# Altium PCB IDC_MCX_Adapter.PCBDOC (part 1 of 3)
Units mm, origin at the board's own origin, x right, y up, seen from the top; angles counter-clockwise.
Board outline 125 x 100 mm, 6 copper layers (L1, GND1, L2, L3, GND2, L4), stack 1.516 mm thick; 264 components, 203 nets, 818 pads, 676 vias.
Unrouted connection lines stored in the file: 2.
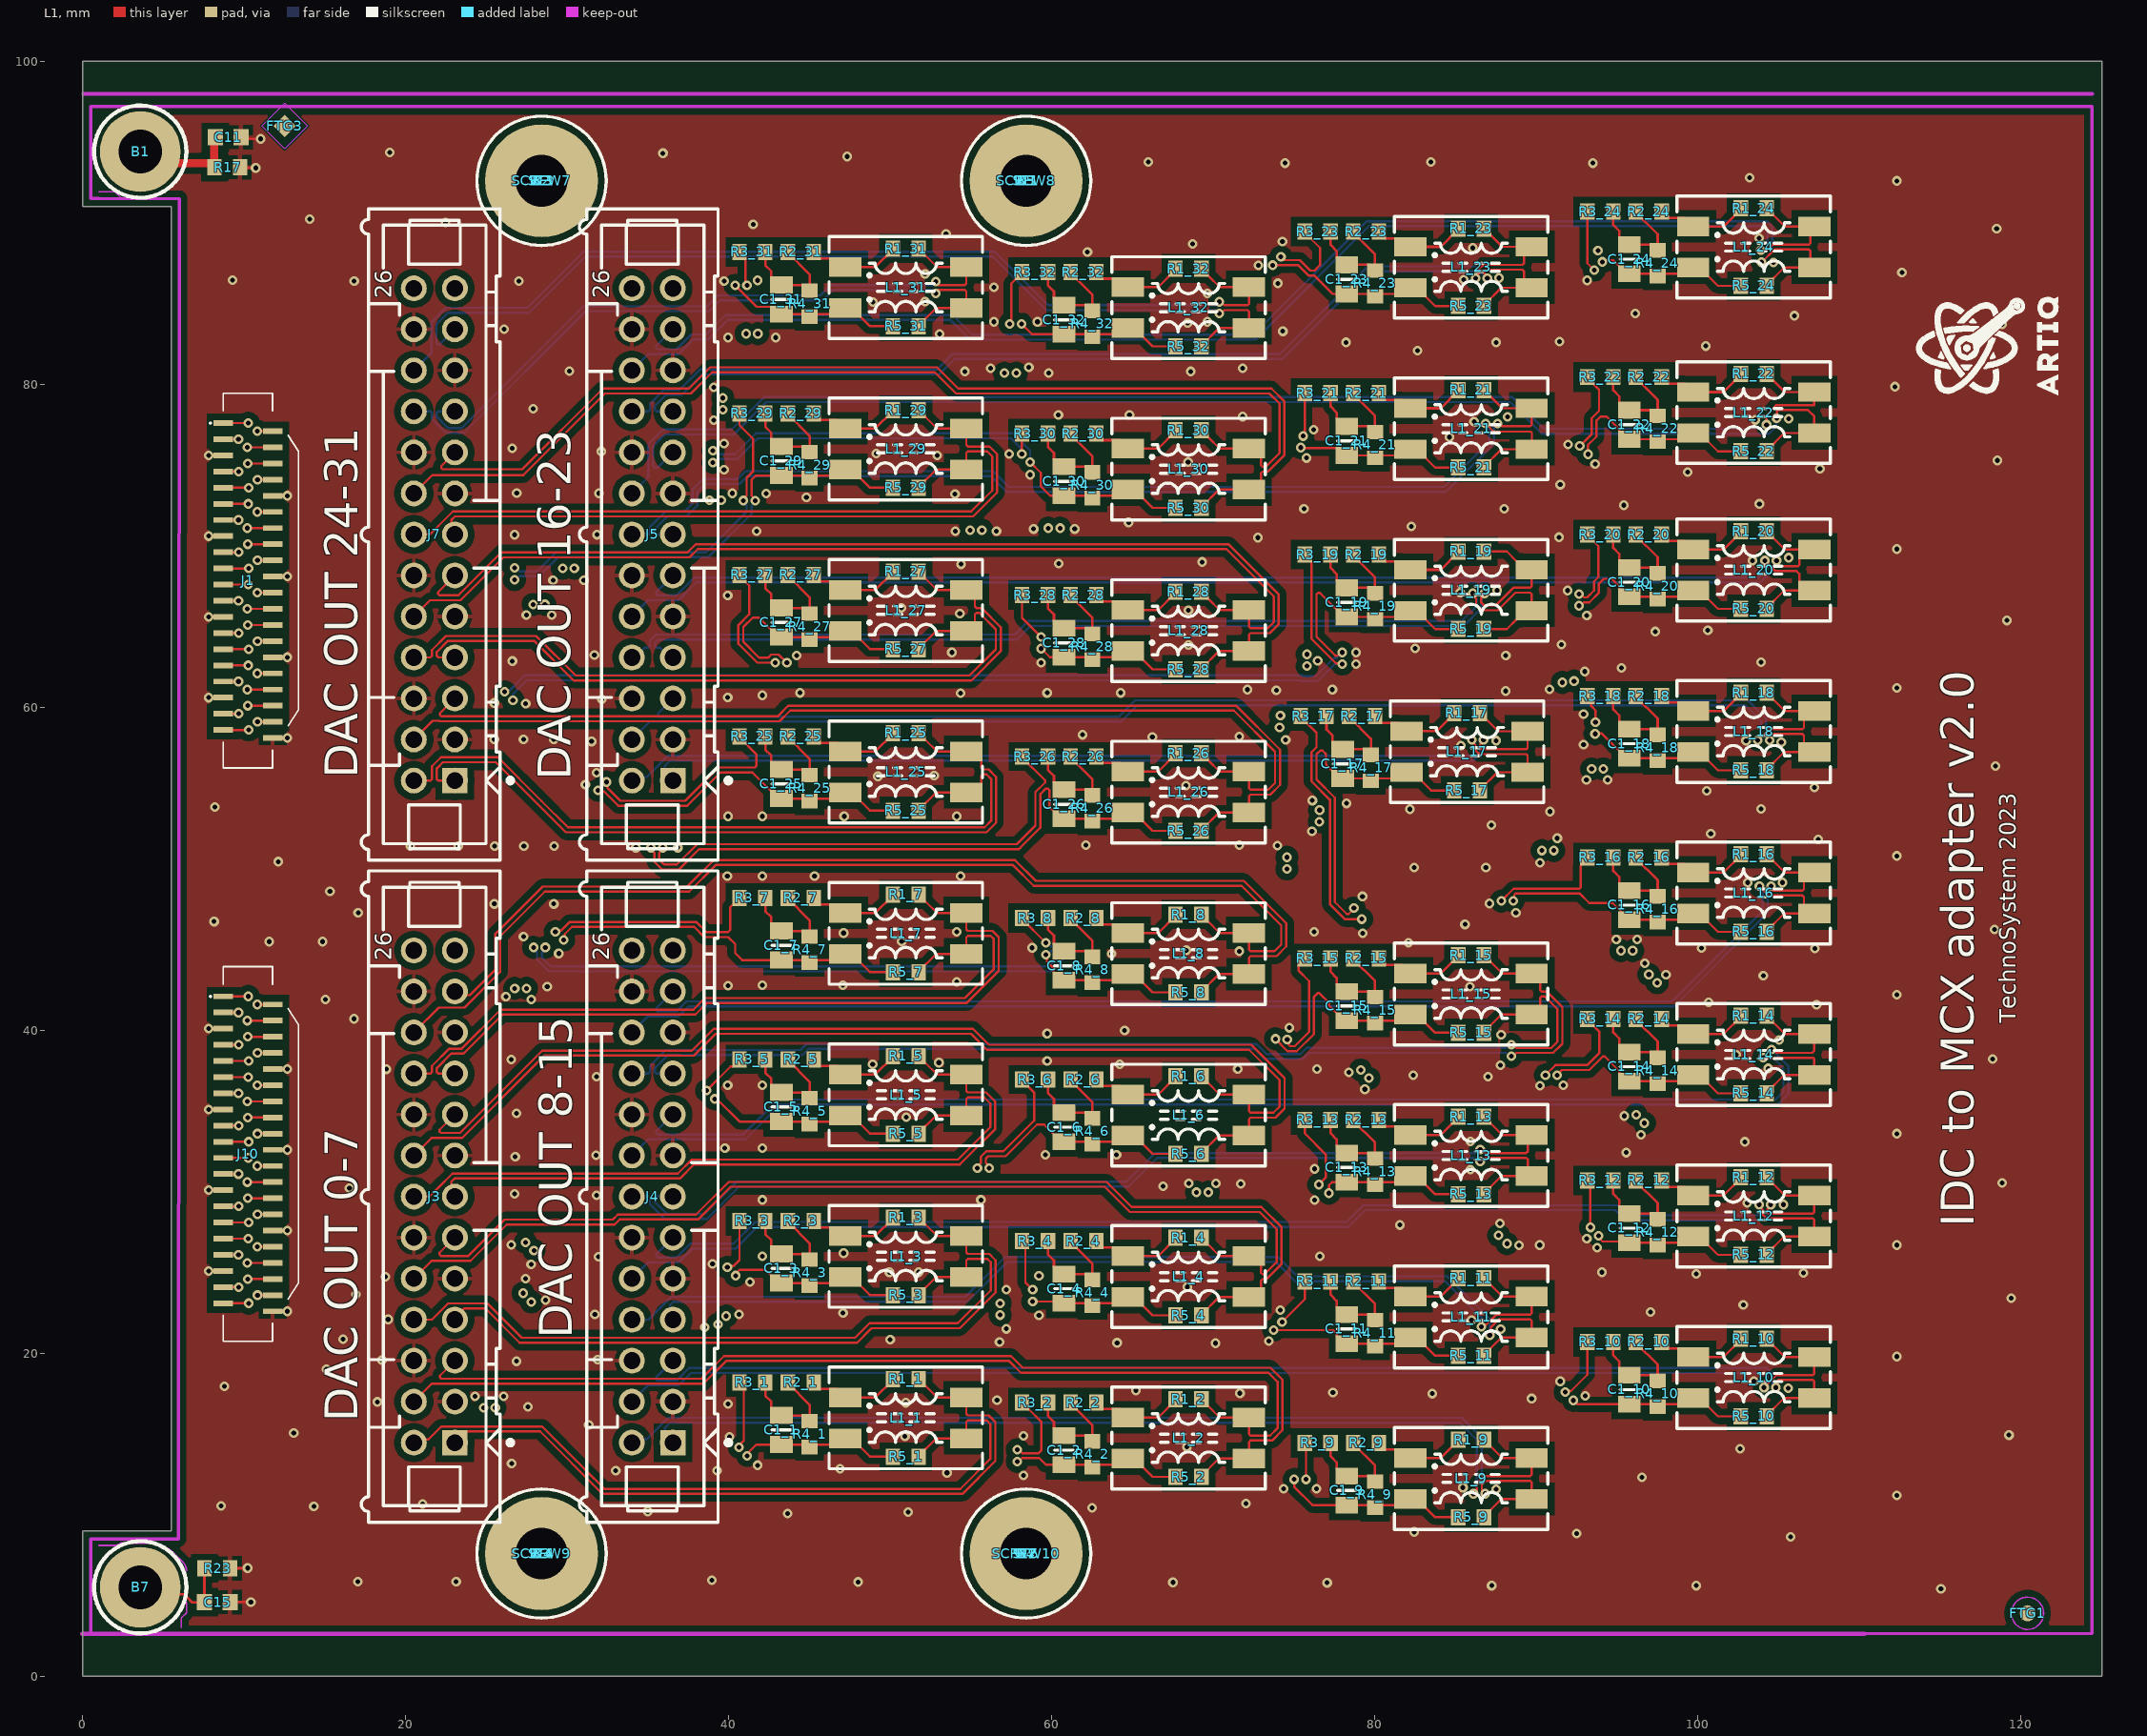
[diagram p0: L1 view]
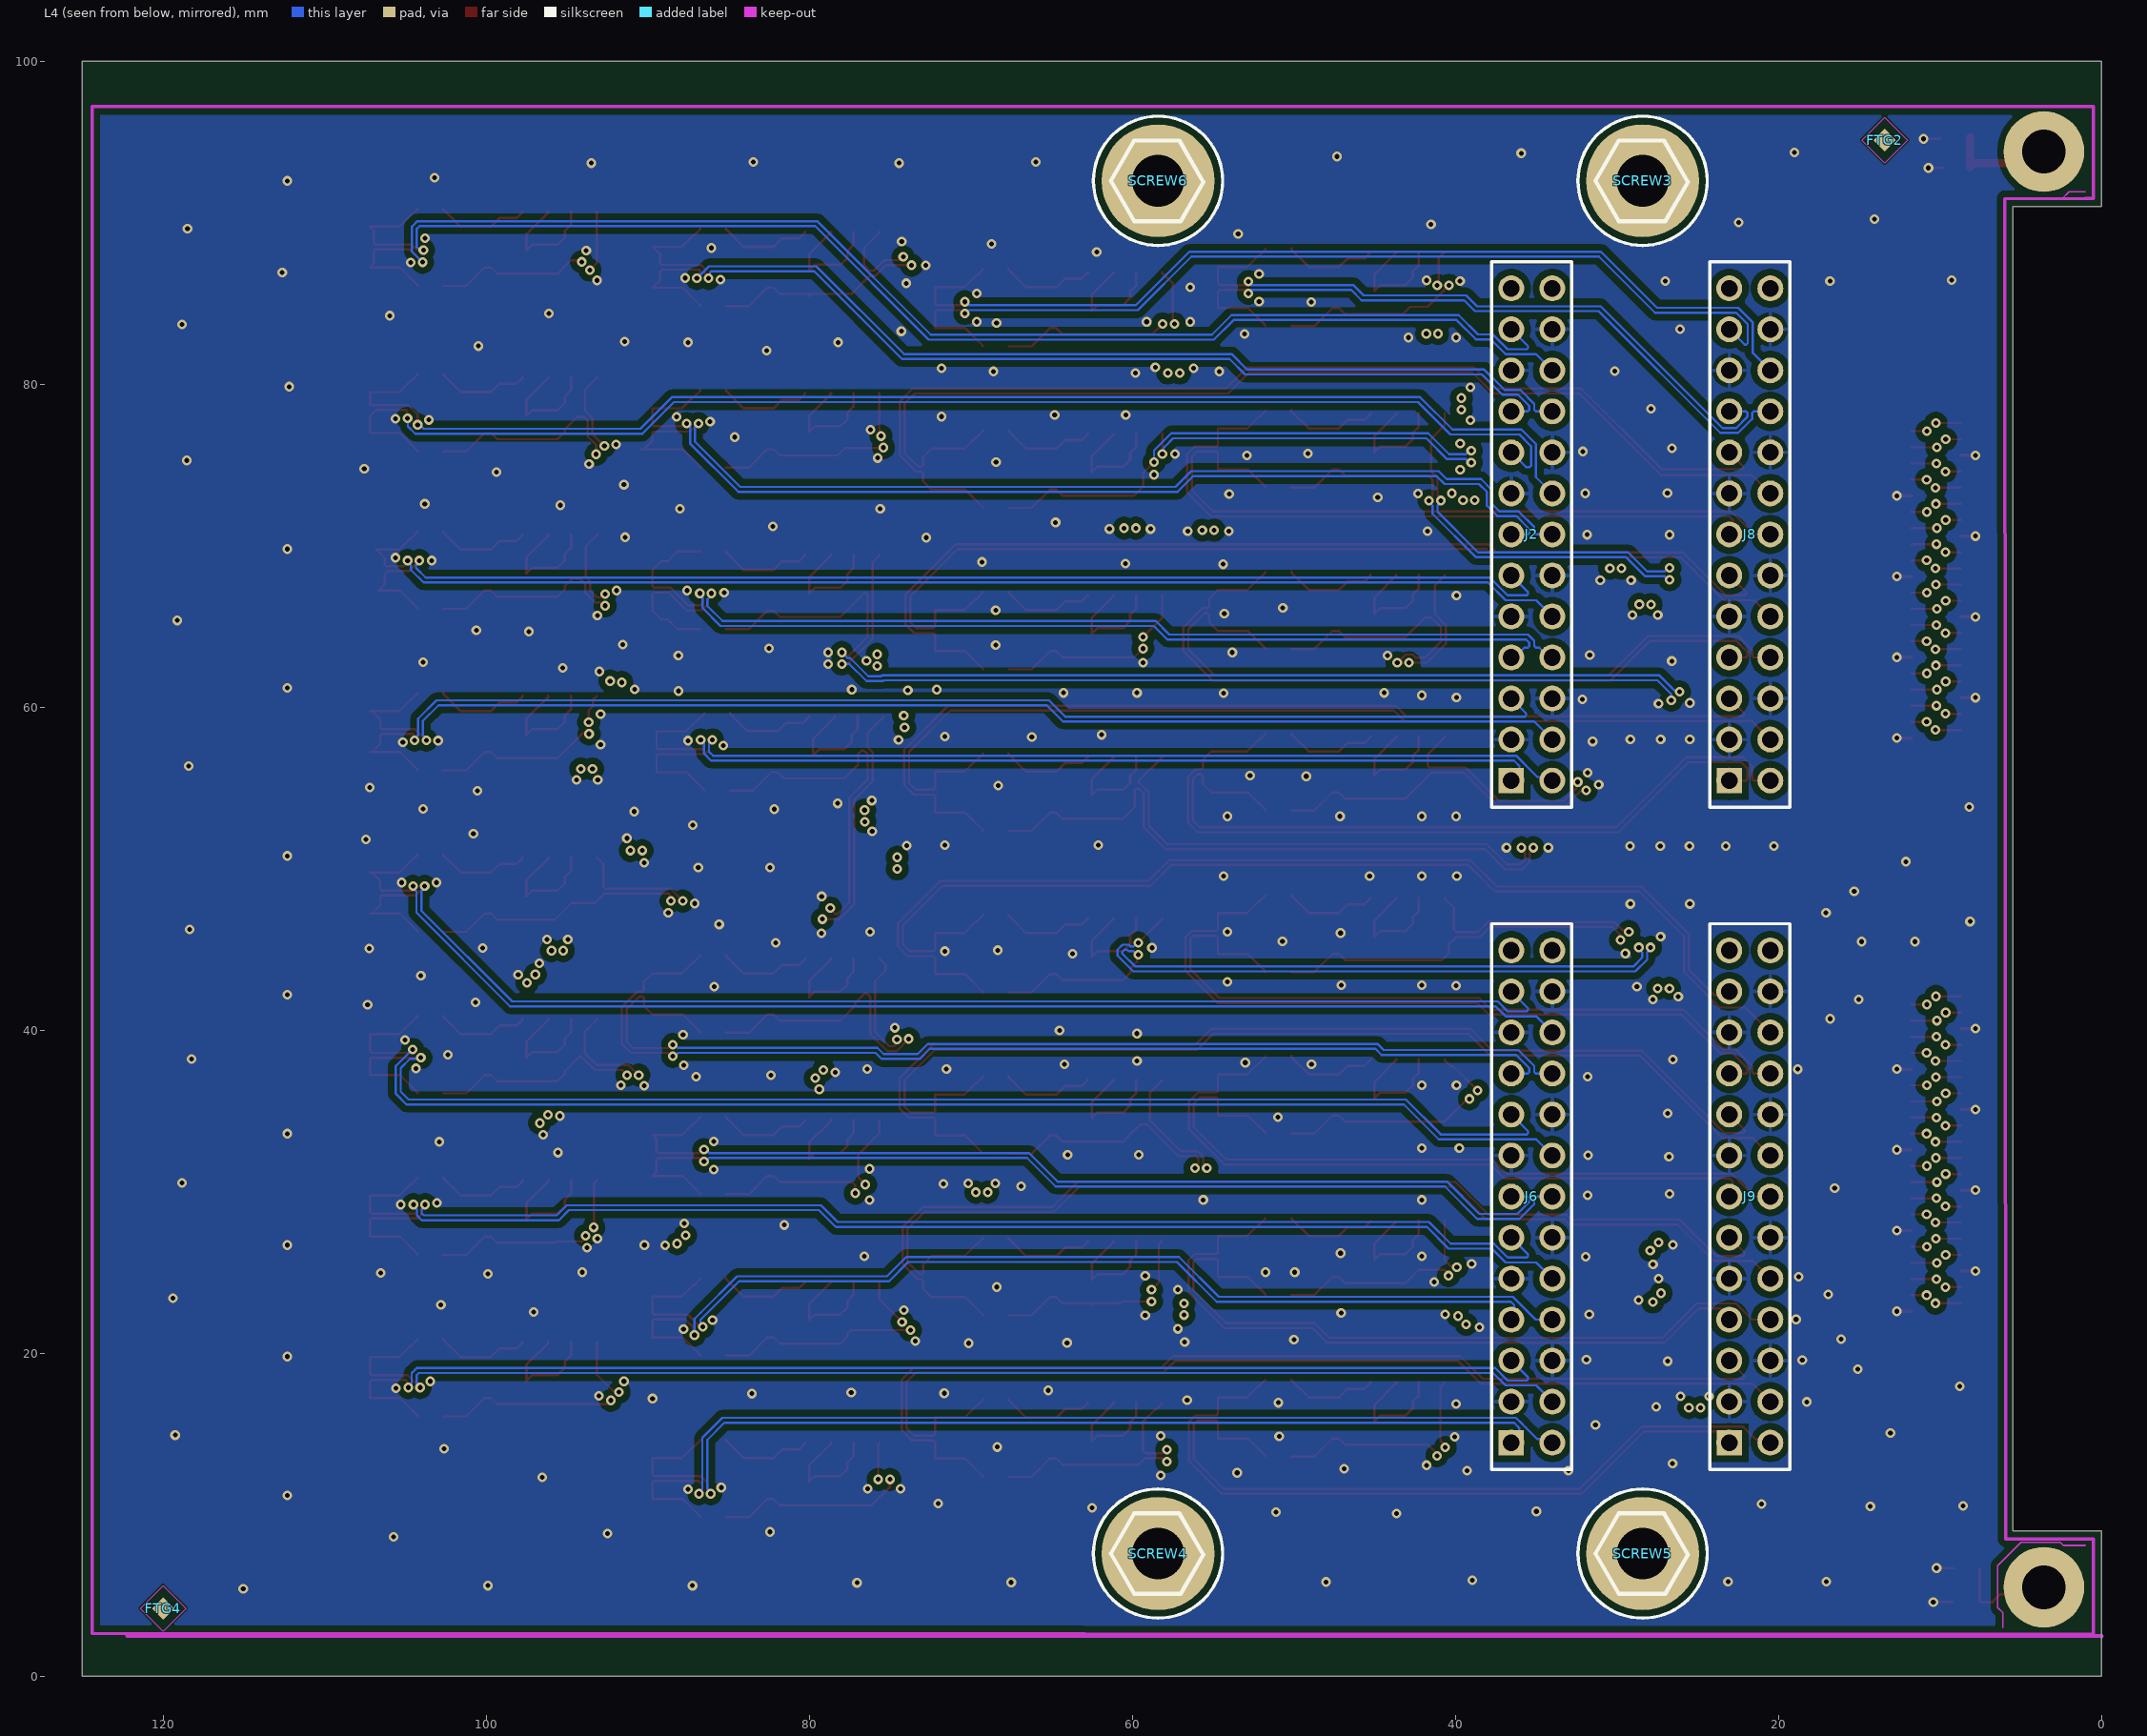
[diagram p1: L4 view, seen from below]
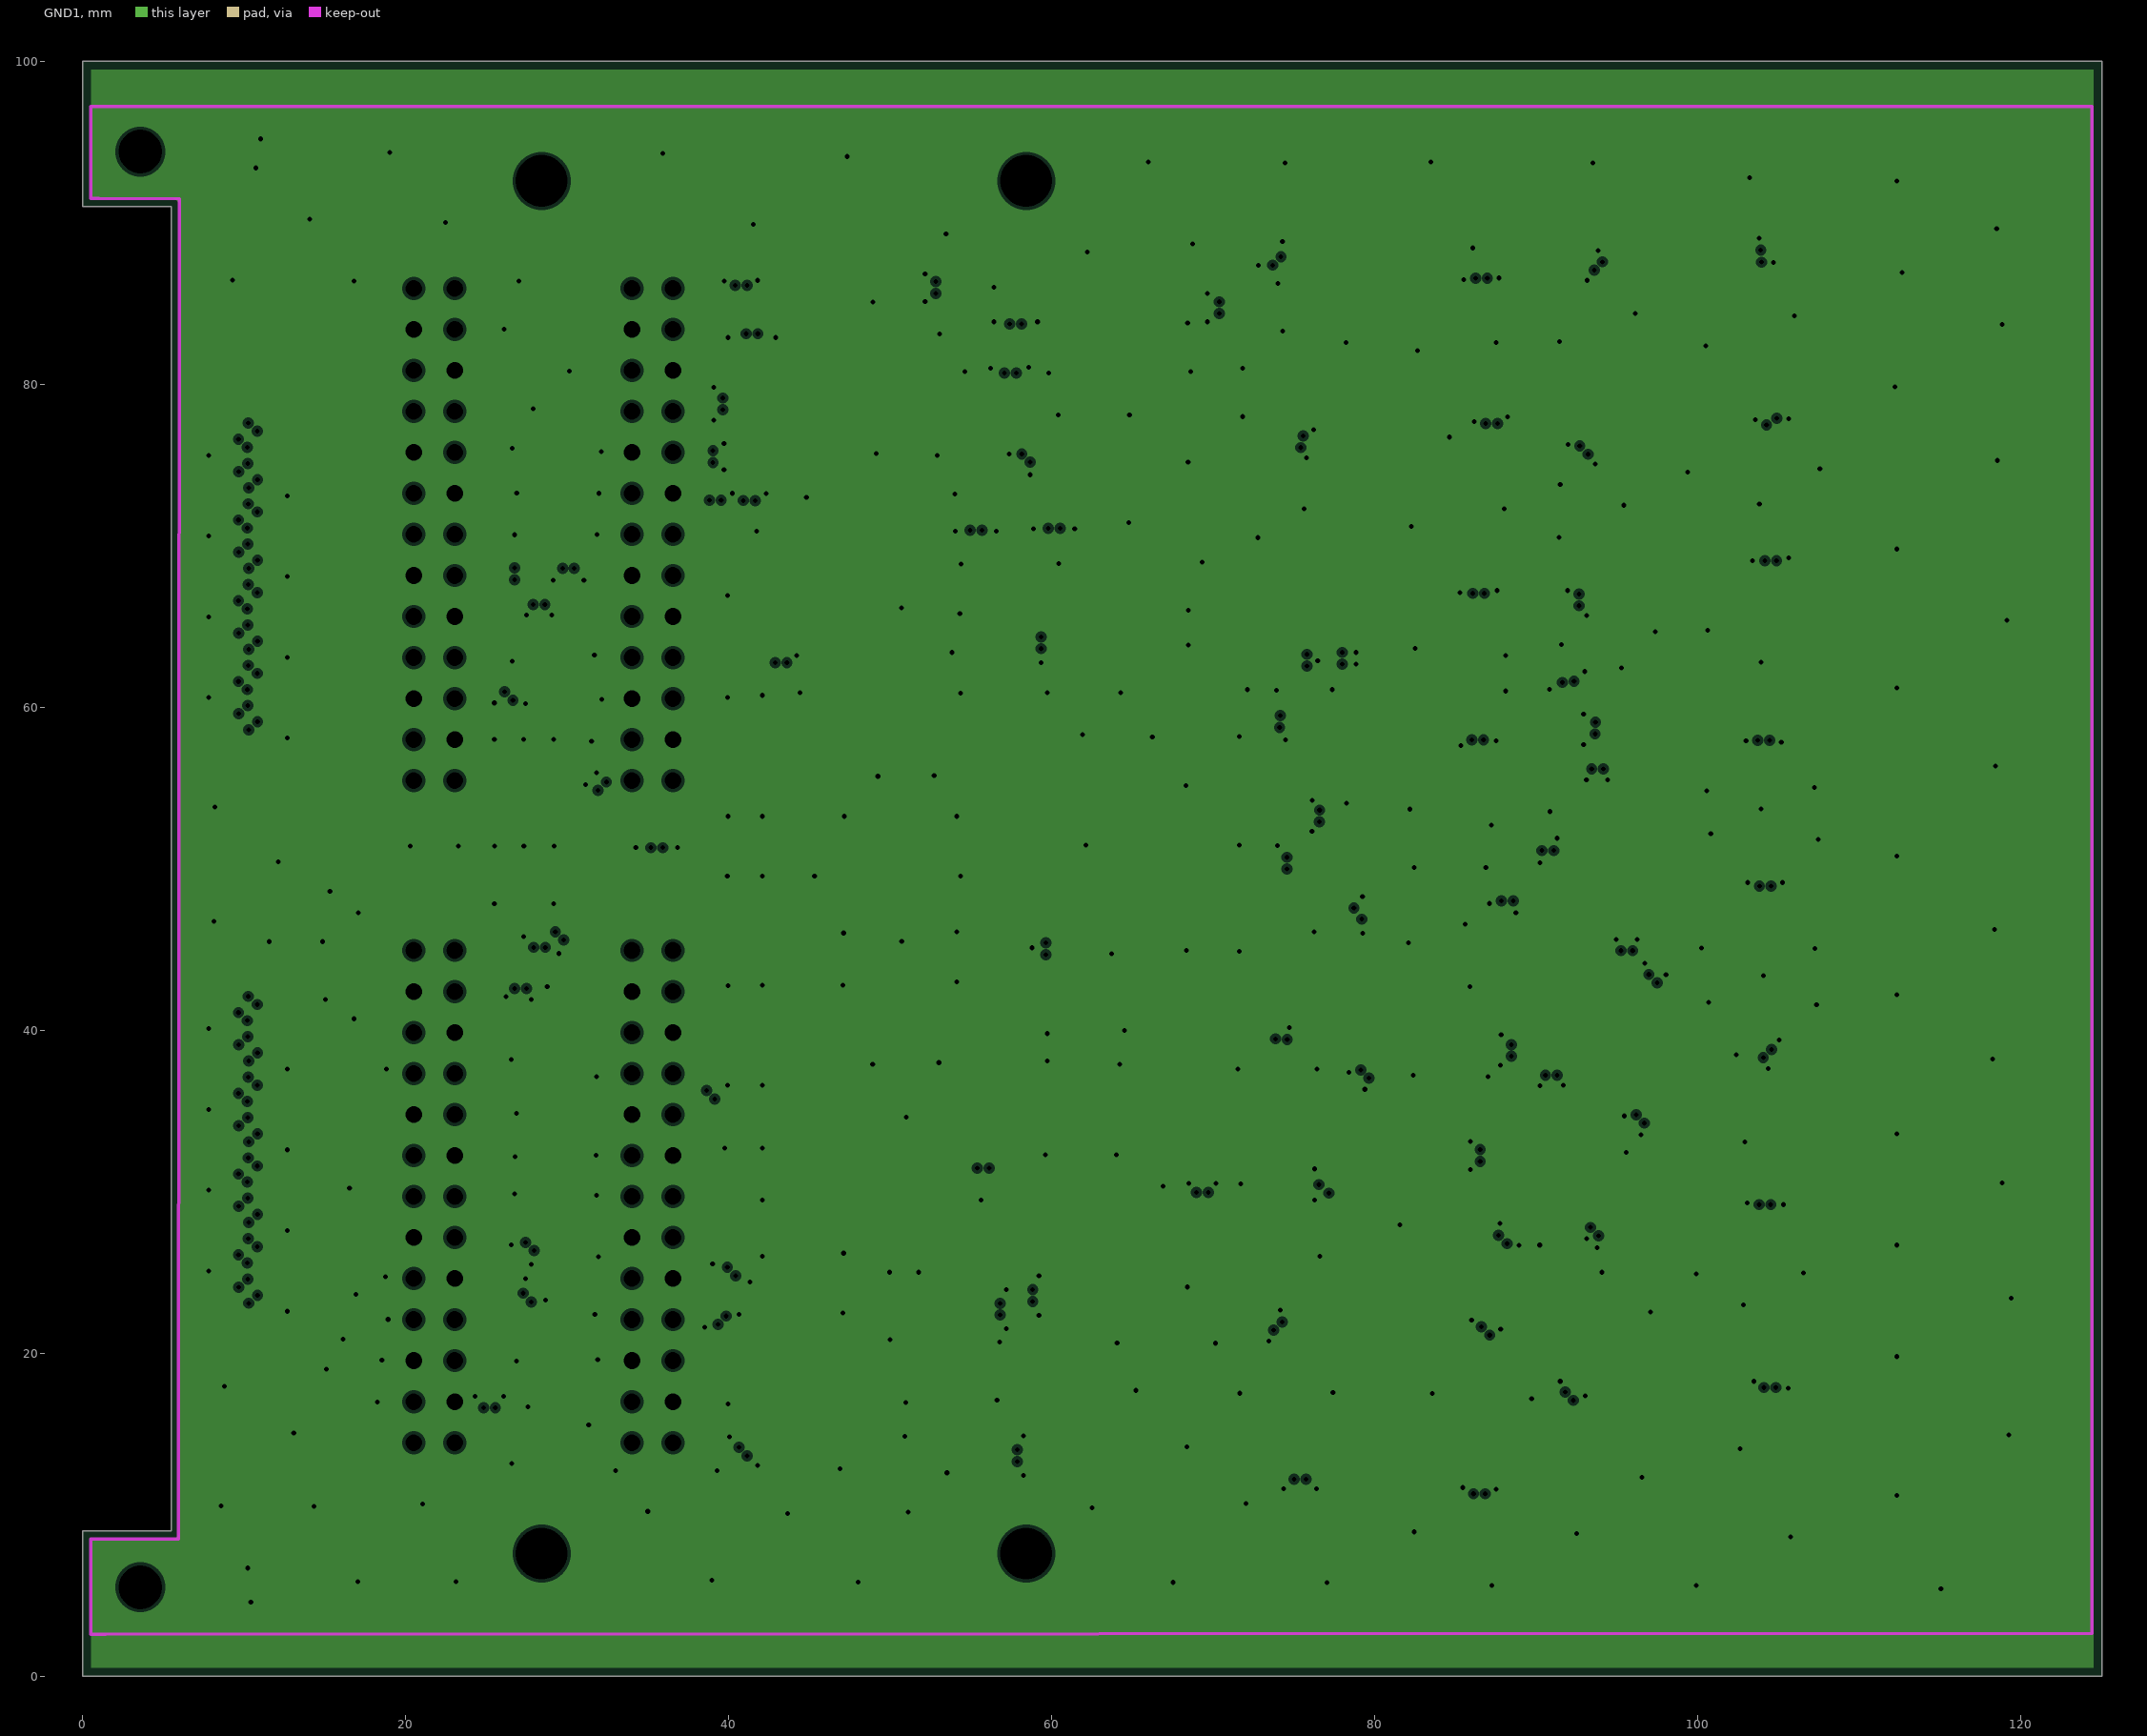
[diagram p2: GND1, clearances drawn from the general rule]
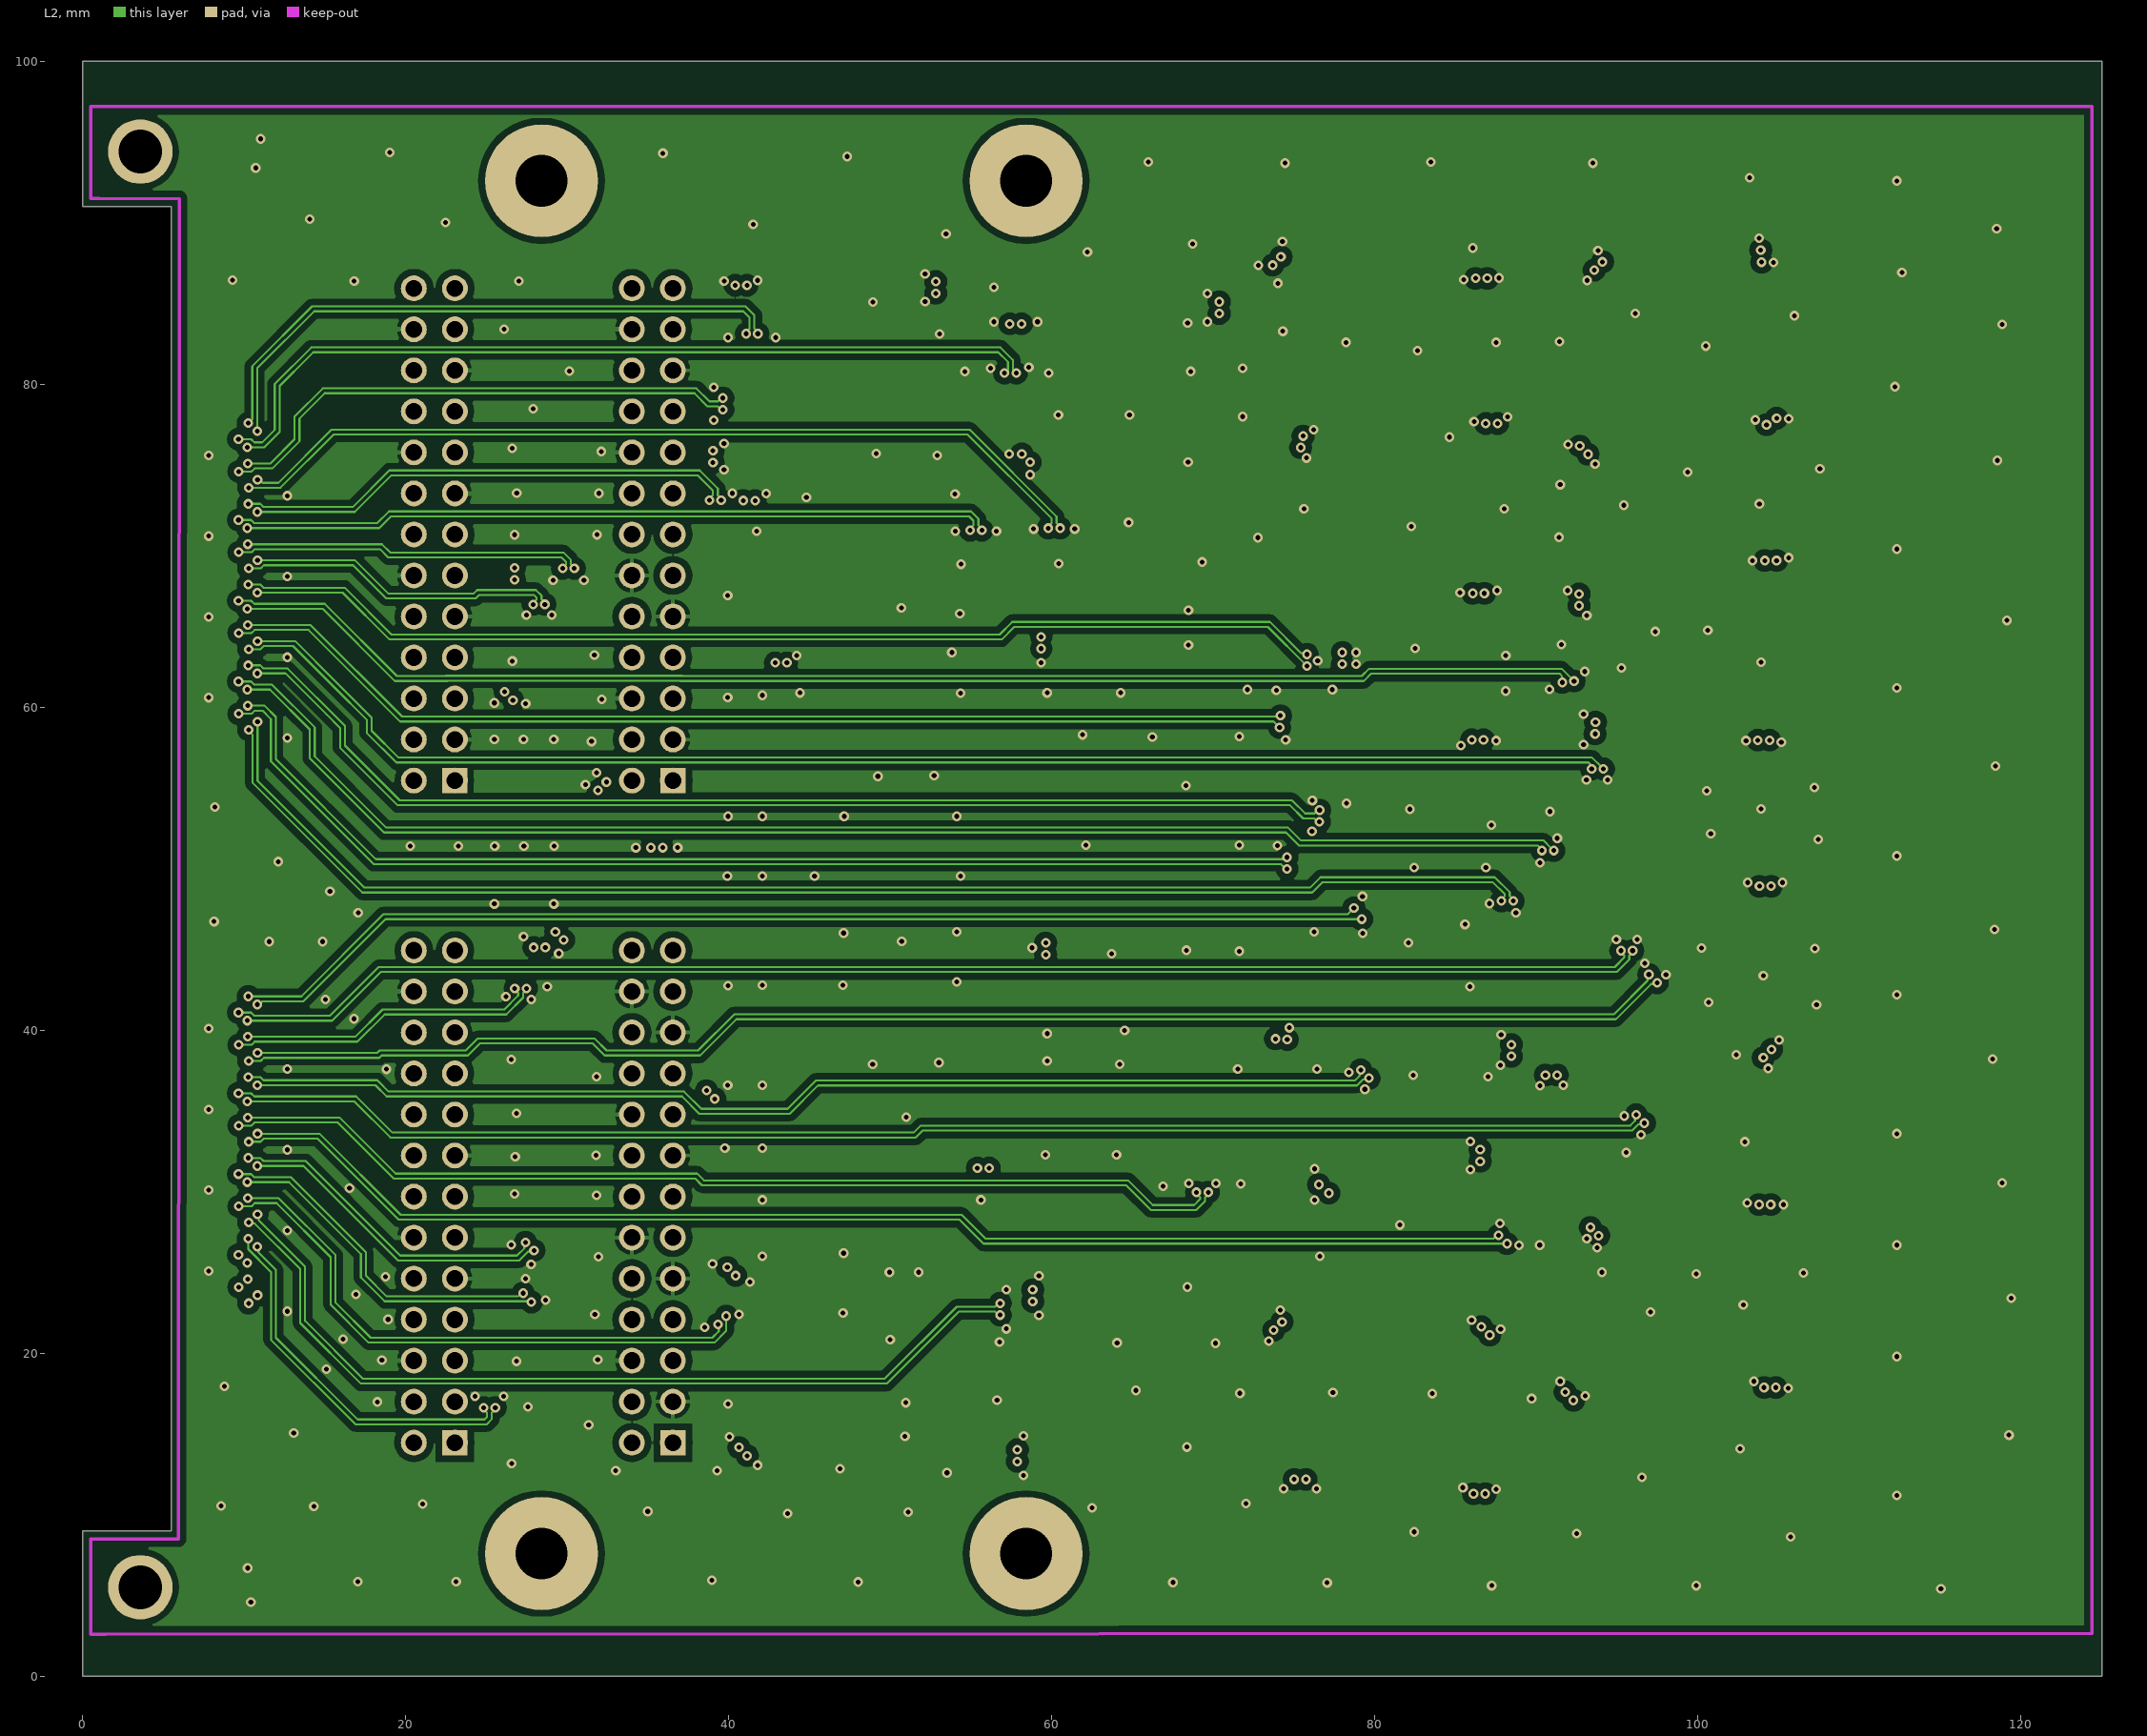
[diagram p3: L2]